# Altium PCB PA_8CH_CTRL.PcbDoc (part 11 of 11)
Units mil, origin at the board's own origin, x right, y up, seen from the top; angles counter-clockwise.
Board outline 15354.33 x 4330.71 mil, 4 copper layers (Component Side, Signal Layer 1, Power Plane, Solder Side), stack 63.149 mil thick; 907 components, 557 nets, 2683 pads, 1897 vias.
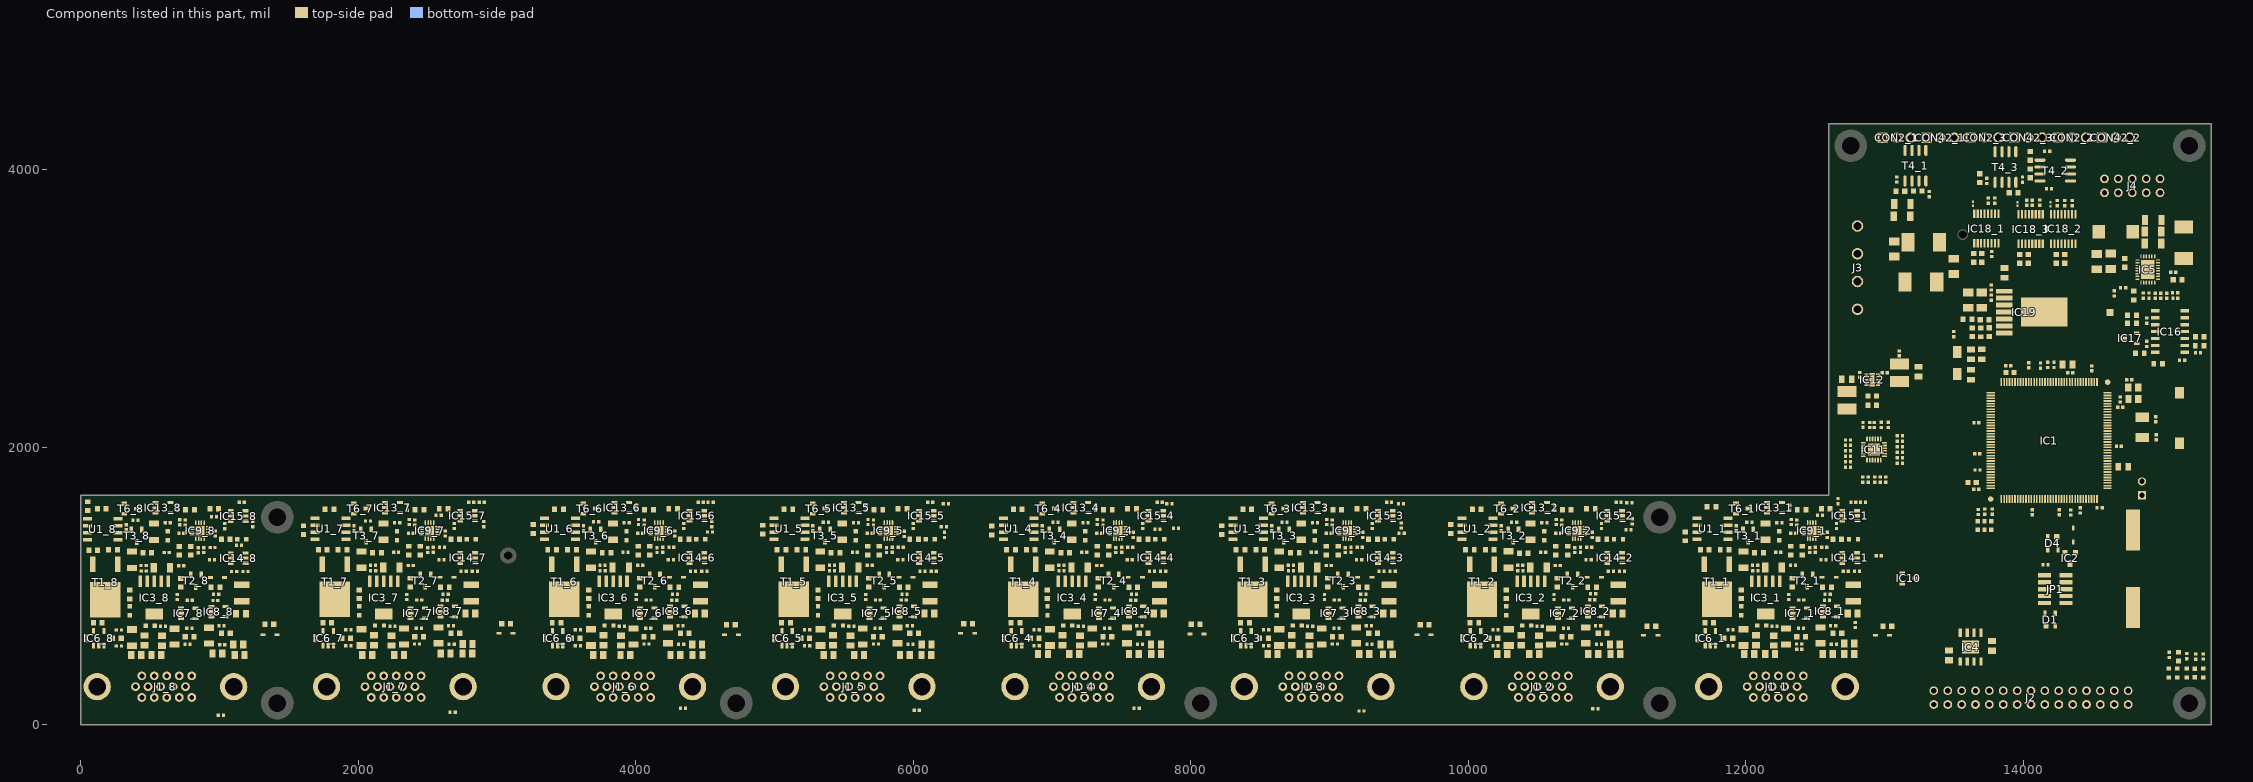
[diagram p13: the components of this part, seen from the top]

## Polygon pours and split planes (outlines as drawn)
GND on Solder Side "ML1_BAL" (solid, remove dead copper, pour order 48): 9.84,974.41 19.69,984.25 462.6,984.25 462.6,777.56 472.44,767.72 482.28,777.56 13149.61,777.56 13169.29,777.56 13484.25,1092.52 13484.25,1161.42 13484.25,2480.31 13503.94,2500 13553.15,2549.21 13553.15,2598.43 13553.15,2824.8 13484.25,2824.8 13484.25,3169.29 13503.94,3188.98 13592.52,3277.56 13592.52,3366.14 13592.52,3641.73 13602.36,3631.89 14389.76,3631.89 14399.61,3631.89 14488.19,3543.31 14655.51,3375.98 14655.51,3139.76 14655.51,3061.02 14734.25,2982.28 14881.89,2982.28 15206.69,2982.28 15255.91,3031.5 15255.91,3090.55 15255.91,3700.79 15246.06,3710.63 15243.36,3707.92 14901.57,3707.92 14786.17,3707.92 14744.09,3750 14724.41,3769.69 14675.2,3769.69 14153.54,3769.69 14133.86,3750 14124.02,3740.16 13986.22,3740.16 13612.2,3740.16 13582.68,3769.69 13503.94,3769.69 13238.19,3769.69 13218.5,3750 13218.5,3641.73 12844.49,3641.73 12785.43,3582.68 12677.17,3474.41 12667.32,3474.41 12637.8,3444.88 12618.11,3425.2 12599.43,3425.2 12608.27,3434.04 12608.27,4330.71 15344.49,4330.71 15354.33,4320.87 15344.49,4311.02 15344.49,0 9.84,0 0,9.84 19.69,29.53 19.69,984.25
P6V5 on Solder Side "Solder Side-No Net" (solid, remove dead copper, pour order 8): 12952.76,984.25 12992.13,984.25 13188.98,1181.1 13188.98,2559.06 13435.04,2805.12 13543.31,2805.12 13543.31,2559.05 13464.57,2480.31 13464.57,1102.36 13149.61,787.4 12952.76,787.4
P6V5 on Solder Side "Solder Side-No Net" (solid, remove dead copper, pour order 0): 472.44,984.25 12992.13,984.25 12992.13,787.4 472.44,787.4
P30V0 on Solder Side "Solder Side-No Net" (solid, remove dead copper, pour order 6): 12627.95,1297.89 12627.95,3405.51 12844.49,3622.05 13572.84,3622.05 13572.83,3280.83 13464.57,3172.57 13464.57,2874.02 13188.98,2598.43 13188.98,1190.94 13077.91,1079.87
P30V0 on Solder Side "Solder Side-No Net" (solid, remove dead copper, pour order 2): 0,1663.39 13139.76,1663.39 13139.76,994.09 0,994.09
N8V0 on Solder Side "Top-No Net" (solid, remove dead copper, pour order 28): 14665.35,3681.1 15236.22,3681.1 15236.22,3031.5 15216.54,3011.81 14940.94,3011.81 14921.26,3011.81 14901.57,2992.13 14803.15,2992.13 14744.09,2992.13 14704.72,3031.5 14665.35,3070.87 14665.35,3484.25 14665.35,3681.1
N8V0 on Solder Side "Top-No Net" (solid, remove dead copper, pour order 30): 13238.19,3740.16 13533.46,3740.16 13553.15,3740.16 13582.68,3710.63 13740.16,3710.63 14143.7,3710.63 14163.39,3730.31 14183.07,3750 14311.02,3750 14704.72,3750 14753.94,3700.79 14753.94,3612.2 14685.04,3543.31 14566.93,3543.31 14507.87,3543.31 14448.82,3602.36 14399.61,3651.57 14143.7,3651.57 13238.19,3651.57
P3V3 on Signal Layer 1 "ML1_BAL" (solid, remove dead copper, pour order 46): -9.84,1663.39 0,1673.23 12578.74,1673.23 12578.74,1633.86 12785.6,1427 12903.54,1427 13248.2,1427 13405.51,1269.69 13592.52,1082.68 13592.52,954.72 13592.52,905.51 13513.78,826.77 13415.35,728.35 12263.78,728.35 708.66,728.35 629.92,649.61 649.61,629.92 649.61,531.5 649.61,482.28 688.98,442.91 698.82,433.07 1072.83,433.07 13175.58,433.07 13287.4,321.25 13277.56,311.41 13277.56,10.16 13218.83,10.16 13208.66,0 0,0
P3V3 on Signal Layer 1 "ML1_BAL" (solid, remove dead copper, pour order 44): 12588.58,1653.54 12588.58,1594.49 12687.01,1496.06 12706.69,1476.38 13139.76,1476.38 13169.29,1505.91 13169.29,1574.8 13169.29,3769.69 13425.2,3769.69 13425.2,1614.17 13543.31,1496.06 13838.58,1200.79 13838.58,961.01 13838.58,797.24 13710.63,669.29 13277.56,236.22 13277.56,9.84 13366.14,9.84 13375.98,0 15354.33,0 15354.33,2923.23 15344.49,2913.39 13809.06,2913.39 14832.68,2913.39 14458.66,3287.4 14458.66,3631.89 14537.4,3710.63 14566.93,3740.16 14685.04,3740.16 15157.48,3740.16 15206.69,3690.94 15246.06,3651.57 15246.06,3612.2 15246.06,2913.39 15354.33,2913.39 15354.33,4320.87 15344.49,4330.71 12598.43,4330.71 12598.43,1683.07 12588.58,1673.23
N8V0 on Signal Layer 1 "Signal Layer 1-No Net" (solid, pour order 14): 12874.02,679.13 12933.07,688.98 13149.61,688.98 13415.36,688.98 13639,912.62 13639,1075.57 13188.98,1525.59 13188.98,3740.16 13415.36,3740.16 13415.36,1584.64 13818.9,1181.1 13818.9,826.77 13503.94,511.81 13267.72,511.81 13228.35,472.44 12874.02,472.44
N8V0 on Signal Layer 1 "Solder Side-No Net" (solid, remove dead copper, pour order 4): 12938.81,683.15 682.42,683.15 682.42,472.44 12938.81,472.44
N8V0 on Signal Layer 1 "ML1_BAL" (solid, remove dead copper, pour order 34): 14606.3,3700.79 15167.32,3700.79 15196.85,3671.26 15226.38,3641.73 15226.38,3425.2 15226.38,3011.81 15167.32,2952.76 15147.64,2933.07 14940.94,2933.07 14842.52,2933.07 14488.19,3287.4 14488.19,3454.72 14488.19,3612.21 14576.77,3700.79
NetC23_2 on Component Side "ML1_BAL" (solid, remove dead copper, pour order 38): 14903.03,3435.39 15265.75,3435.39 15265.75,3257.87 15177.17,3257.87 15167.32,3248.03 15108.27,3248.03 15047.43,3248.03 15029.53,3265.94 15017.91,3277.56 14950.79,3277.56 14950.79,3346.46 14940.94,3356.3 14891.73,3356.3
N8V0 on Component Side "ML1_BAL" (solid, remove dead copper, pour order 40): 14665.35,3707.74 14924.15,3707.74 14931.1,3700.79 14931.1,3651.57 14931.1,3435.04 14921.26,3425.2 14815.18,3319.11 14755.02,3319.11 14702.54,3319.11 14685.04,3336.61 14675.2,3346.46 14675.2,3375.98 14675.2,3651.57 14665.35,3661.42 14665.35,3707.74
P12V0 on Component Side "Top-No Net" (solid, remove dead copper, pour order 26): 13897.64,3228.35 14409.45,3228.35 14448.82,3267.72 14448.82,3307.09 14468.5,3326.77 14842.52,3326.77 14842.52,3267.72 14803.15,3267.72 14665.35,3129.92 13917.32,3129.92
GND on Component Side "ML1_BAL" (solid, remove dead copper, pour order 36): 14950.79,3690.94 14950.79,3435.04 15265.75,3435.04 15265.75,3681.1 15255.91,3690.94 14960.63,3690.94
P3V3 on Component Side "ML1_BAL" (solid, remove dead copper, pour order 32): 12696.85,2677.17 12805.12,2785.43 13218.5,2785.43 13336.61,2667.32 13356.3,2647.64 13356.3,2588.58 13356.3,2509.84 13307.09,2460.63 13208.66,2362.2 13169.29,2362.2 13031.5,2362.2 13011.81,2381.89 12952.76,2440.94 12952.76,2500 12952.76,2529.53 12923.23,2559.06 12785.43,2559.06 12696.85,2559.06 12687.01,2568.9 12687.01,2667.32
P12V0 on Component Side "Top-No Net" (solid, remove dead copper, pour order 24): 13937.01,3267.72 13937.01,3110.24 13740.16,3110.24 13681.1,3051.18 13562.99,3051.18 13562.99,2992.13 13464.57,2893.7 13444.88,2874.02 13070.87,2874.02 13031.5,2874.02 12952.76,2952.76 12834.65,3070.87 12716.54,3070.87 12696.85,3070.87 12677.17,3090.55 12677.17,3149.61 12677.17,3248.03 12716.54,3287.4 12814.96,3287.4 12913.39,3287.4 12972.44,3228.35 13129.92,3070.87 13307.09,3070.87 13425.2,3070.87 13523.62,3169.29 13562.99,3208.66 13622.05,3208.66 13681.1,3267.72 13949.39,3267.72
GND on Component Side "ML1_BAL" (solid, remove dead copper, pour order 42): 14665.35,3672.52 14665.35,3326.77 14468.5,3326.77 14468.5,3637.43 14502.34,3671.26 14503.6,3672.52 14665.35,3672.52
P30V0 on Component Side "Top-No Net" (solid, remove dead copper, pour order 22): 13385.83,3622.05 13503.94,3622.05 13523.62,3602.36 13582.68,3543.31 13582.68,3346.46 13562.99,3326.77 13543.31,3307.09 13464.57,3307.09 13346.46,3307.09 13307.09,3346.46 13287.4,3366.14 13287.4,3484.25 13287.4,3582.68 13307.09,3602.36 13326.77,3622.05 13385.83,3622.05
GND on Component Side "Top-No Net" (solid, remove dead copper, pour order 20): 13287.4,3307.09 13582.68,3307.09 13622.05,3267.72 13661.42,3267.72 13661.42,3208.66 13582.68,3208.66 13543.31,3208.66 13523.62,3188.98 13464.57,3129.92 13425.2,3090.55 13385.83,3090.55 13267.72,3090.55 13248.03,3110.24 13248.03,3267.72 13248.03,3287.4 13267.72,3307.09
GND on Power Plane (split plane): 15334.23,20.1 20.1,20.1 20.1,1633.45 12598.43,1633.45 12602.35,1633.83 12606.12,1634.98 12609.59,1636.83 12612.64,1639.33 12615.14,1642.38 12616.99,1645.85 12618.14,1649.62 12618.52,1653.54 12618.52,4310.61 15334.23,4310.61

## Keep-outs
Keep-Out Layer:
  lines w3.94: 12598.43,1653.54 0,1653.54 0,0 15354.33,0 15354.33,4330.71 12598.43,4330.71 ; 12599.43,1656.54 12599.43,4333.71

## Other copper
Component Side:
  rectangle net GND: 12987.16,3742.16 13040.08,3769.69
  rectangle net GND: 12990,3655 13070,3680
  rectangle net N8V0: 13240,3665 13410,3740
  rectangle net NetC21_2: 14741.57,915 14840,1092.17
  rectangle net P6V5: 13425.2,2654.53 13490.16,2719.49
  rectangle net GND: 13216,2466 13271,2492
  region net GND: 12675.73,2455.06 12675.73,2533.8 12645,2533.8 12645,2455.06
  rectangle net P3V3: 12941,2532 12966,2566
  region net GND: 14837,1145 14837,1436 14745,1436 14745,1145
  rectangle net P30V0: 1954.54,1200.14 2079.54,1275.14
  rectangle net GND: 1988.54,1052.14 2057.54,1132.14
  rectangle net GND: 2751.54,724.14 2794.54,783.14
  rectangle net GND: 2143.54,1270.14 2217.54,1348.14
  rectangle net GND: 2104.54,626.14 2253.54,687.14
  rectangle net GND: 2085.54,623.14 2137.54,731.14
  rectangle net GND: 2081.54,728.14 2138.54,841.14
  rectangle net P6V5: 2220.54,909.14 2246.54,1003.14
  rectangle net P6V5: 2228.54,909.14 2279.54,982.14
  rectangle net GND: 2165.54,908.14 2200.54,1157.14
  rectangle net P30V0: 3608.09,1200.14 3733.09,1275.14
  rectangle net GND: 3642.09,1052.14 3711.09,1132.14
  rectangle net GND: 4405.09,724.14 4448.09,783.14
  rectangle net GND: 3797.09,1270.14 3871.09,1348.14
  rectangle net GND: 3758.09,626.14 3907.09,687.14
  rectangle net GND: 3739.09,623.14 3791.09,731.14
  rectangle net GND: 3735.09,728.14 3792.09,841.14
  rectangle net P6V5: 3874.09,909.14 3900.09,1003.14
  rectangle net P6V5: 3882.09,909.14 3933.09,982.14
  rectangle net GND: 3819.09,908.14 3854.09,1157.14
  rectangle net P30V0: 5261.63,1200.14 5386.63,1275.14
  rectangle net GND: 5295.63,1052.14 5364.63,1132.14
  rectangle net GND: 6058.63,724.14 6101.63,783.14
  rectangle net GND: 5450.63,1270.14 5524.63,1348.14
  rectangle net GND: 5411.63,626.14 5560.63,687.14
  rectangle net GND: 5392.63,623.14 5444.63,731.14
  rectangle net GND: 5388.63,728.14 5445.63,841.14
  rectangle net P6V5: 5527.63,909.14 5553.63,1003.14
  rectangle net P6V5: 5535.63,909.14 5586.63,982.14
  rectangle net GND: 5472.63,908.14 5507.63,1157.14
  rectangle net P30V0: 6915.17,1200.14 7040.17,1275.14
  rectangle net GND: 6949.17,1052.14 7018.17,1132.14
  rectangle net GND: 7712.17,724.14 7755.17,783.14
  rectangle net GND: 7104.17,1270.14 7178.17,1348.14
  rectangle net GND: 7065.17,626.14 7214.17,687.14
  rectangle net GND: 7046.17,623.14 7098.17,731.14
  rectangle net GND: 7042.17,728.14 7099.17,841.14
  rectangle net P6V5: 7181.17,909.14 7207.17,1003.14
  rectangle net P6V5: 7189.17,909.14 7240.17,982.14
  rectangle net GND: 7126.17,908.14 7161.17,1157.14
  rectangle net P30V0: 8568.72,1200.14 8693.72,1275.14
  rectangle net GND: 8602.72,1052.14 8671.72,1132.14
  rectangle net GND: 9365.72,724.14 9408.72,783.14
  rectangle net GND: 8757.72,1270.14 8831.72,1348.14
  rectangle net GND: 8718.72,626.14 8867.72,687.14
  rectangle net GND: 8699.72,623.14 8751.72,731.14
  rectangle net GND: 8695.72,728.14 8752.72,841.14
  rectangle net P6V5: 8834.72,909.14 8860.72,1003.14
  rectangle net P6V5: 8842.72,909.14 8893.72,982.14
  rectangle net GND: 8779.72,908.14 8814.72,1157.14
  rectangle net P30V0: 10222.26,1200.14 10347.26,1275.14
  rectangle net GND: 10256.26,1052.14 10325.26,1132.14
  rectangle net GND: 11019.26,724.14 11062.26,783.14
  rectangle net GND: 10411.26,1270.14 10485.26,1348.14
  rectangle net GND: 10372.26,626.14 10521.26,687.14
  rectangle net GND: 10353.26,623.14 10405.26,731.14
  rectangle net GND: 10349.26,728.14 10406.26,841.14
  rectangle net P6V5: 10488.26,909.14 10514.26,1003.14
  rectangle net P6V5: 10496.26,909.14 10547.26,982.14
  rectangle net GND: 10433.26,908.14 10468.26,1157.14
  rectangle net P30V0: 11915.17,1200.14 12040.17,1275.14
  rectangle net GND: 11949.17,1052.14 12018.17,1132.14
  rectangle net GND: 12712.17,724.14 12755.17,783.14
  rectangle net GND: 12104.17,1270.14 12178.17,1348.14
  rectangle net GND: 12065.17,626.14 12214.17,687.14
  rectangle net GND: 12046.17,623.14 12098.17,731.14
  rectangle net GND: 12042.17,728.14 12099.17,841.14
  rectangle net P6V5: 12181.17,909.14 12207.17,1003.14
  rectangle net P6V5: 12189.17,909.14 12240.17,982.14
  rectangle net GND: 12126.17,908.14 12161.17,1157.14
  rectangle net GND: 451,625 600,686
  rectangle net GND: 432,622 484,730
  rectangle net GND: 512,907 547,1156
  rectangle net GND: 335,1051 404,1131
  rectangle net GND: 490,1269 564,1347
  rectangle net P6V5: 567,908 593,1002
  rectangle net P6V5: 575,908 626,981
  rectangle net P30V0: 301,1199 426,1274
  rectangle net GND: 1098,723 1141,782
  rectangle net GND: 428,727 485,840
  rectangle net NetC57_2: 12768,2482 12859,2514
  rectangle net NetC57_2: 12737,2390 12786,2476
  rectangle net NetC21_2: 13746,590 13821,745
  rectangle net NetC21_2: 13533,706 13821,752
  rectangle net NetC21_2: 13684,688 13706,729
  rectangle net NetC21_2: 13533,687 13557,724
  rectangle net NetC21_2: 15100,694 15209,806
  rectangle net GND: 13434,513 13802,556
  rectangle net GND: 1147,600 1193,651
  rectangle net GND: 2801,606 2847,657
  rectangle net GND: 4454,608 4500,659
  rectangle net GND: 6107,607 6153,658
  rectangle net GND: 7762,606 7808,657
  rectangle net GND: 9414,607 9460,658
  rectangle net GND: 11068,604 11114,655
  rectangle net GND: 12762,604 12807,676
  rectangle net N8V0: 11513,519 11560,566
  rectangle net N8V0: 9842,539 9889,586
  rectangle net N8V0: 8162,536 8209,583
  rectangle net N8V0: 6539,536 6586,583
  rectangle net N8V0: 4906,533 4953,580
  rectangle net N8V0: 3226,544 3273,591
  rectangle net N8V0: 1570,547 1617,594
  rectangle net N8V0: 492,1372 539,1419
  rectangle net GND: 13414,504 13732,623
  rectangle net GND: 13726,435 13813,545
  rectangle net P30V0: 8011.81,1240.16 8149.61,1437.01
  rectangle net P30V0: 3041.34,1190.94 3129.92,1446.85
  rectangle net P30V0: 6318.9,1240.16 6476.38,1417.32
  rectangle net P30V0: 4675.2,1210.63 4832.68,1427.17
Signal Layer 1:
  rectangle net N8V0: 490,1364 542,1420
Solder Side:
  rectangle net NetC21_2: 14745,1000 14820,1095
  rectangle net P30V0: 2942.91,1289.37 3248.03,1348.43
  rectangle net GND: 14002.91,2861.17 14304.18,3083.71
  rectangle net NetC21_2: 13747,619.11 13822.86,744
  rectangle net NetC21_2: 15105,701 15203,791
  rectangle net GND: 13359,392 13732,701
  rectangle net N8V0: 13238.19,3681.1 13405.51,3740.16

## Silkscreen, mask and mechanical layers (free items; w line width, h text height)
Top Overlay:
  text "P1_3" at 15005,4090 h39.37 r90
  text "DXN" at 14816.57,4064.96 h39.37 r90
  text "P2_3" at 14905.16,4055.12 h39.37 r90
  text "P2_1" at 14619.72,4045.28 h39.37 r90
  text "P1_1" at 14722.95,4041.89 h39.37 r90
  text "P30V0" at 13533.46,3769.69 h39.37 r270
  text "30V" at 12790,3755 h60
  text "N3" at 15005,3683 h39.37
  text "P12" at 14879.8,3679.04 h39.37
  text "P22" at 14741,3677 h39.37
  text "G" at 14575,3675 h39.37
  text "N1" at 14665,3675 h39.37
  text "G" at 13001.97,3326.77 h60 r270
  text "12V" at 13003.94,3206.69 h60 r270
  text "PG / N8V0" at 14547.24,3031.5 h30
  text "GND" at 13001.97,2942.91 h60
  text "nc" at 13001.97,2775.59 h39.37
  text "RESET" at 15279,2134 h30 r90
  text "P30V0" at 3149.61,1309.06 h39.37 r270
  text "LD10" at 13671.26,1200.79 h39.37 r90
  text "LD9" at 13740.16,1200.79 h39.37 r90
  text "LD11" at 13799.21,1200.79 h39.37 r90
  text "P30V0" at 15098.43,688.98 h30 r270
  text "P6V0" at 15162.05,663.21 h30 r270
  text "N8V0" at 15038.39,662.4 h30 r270
  text "P3V3" at 15223.05,662.21 h30 r270
  text "P5V0" at 15285.05,659.21 h30 r270
Mechanical 1:
  lines w20: 12598.43,1653.54 0,1653.54 0,0 15354.33,0 15354.33,4606.3 12598.43,4606.3 ; 12599.43,1656.54 12599.43,4606.3
Mechanical 8:
  lines w3.94: 0,-39.37 1653.54,-39.37 ; 1653.54,0 3307.09,0 ; 3307.09,-39.37 4960.63,-39.37 ; 4960.63,0 6614.17,0 ; 6614.17,-39.37 8267.72,-39.37 ; 8267.72,0 9921.26,0
Drill Drawing:
  drawing of 295 lines, arcs and shapes, not listed
  text "Layer" at 7432.05,3709.21 h60
  text "Name" at 7841.96,3709.21 h60
  text "Material" at 8781.7,3709.21 h60
  text "Thickness" at 9641.47,3709.21 h60
  text "Constant" at 10291.3,3709.21 h60
  text "Board Layer Stack" at 10861.16,3709.21 h60
  text "1" at 7432.05,3589.21 h60
  text "Top Overlay" at 7841.96,3589.21 h60
  text "2" at 7432.05,3469.21 h60
  text "Top Solder" at 7841.96,3469.21 h60
  text "Solder Resist" at 8781.7,3469.21 h60
  text "0.010mm" at 9641.47,3469.21 h60
  text "3.5" at 10291.3,3469.21 h60
  text "3" at 7432.05,3349.21 h60
  text "Component Side" at 7841.96,3349.21 h60
  text "Copper" at 8781.7,3349.21 h60
  text "0.056mm" at 9641.47,3349.21 h60
  text "4" at 7432.05,3229.21 h60
  text "Dielectric 1" at 7841.96,3229.21 h60
  text "FR-4" at 8781.7,3229.21 h60
  text "0.360mm" at 9641.47,3229.21 h60
  text "4.8" at 10291.3,3229.21 h60
  text "5" at 7432.05,3109.21 h60
  text "Signal Layer 1" at 7841.96,3109.21 h60
  text "Copper" at 8781.7,3109.21 h60
  text "0.036mm" at 9641.47,3109.21 h60
  text "6" at 7432.05,2989.21 h60
  text "Dielectric 5" at 7841.96,2989.21 h60
  text "0.700mm" at 9641.47,2989.21 h60
  text "4.2" at 10291.3,2989.21 h60
  text "7" at 7432.05,2869.21 h60
  text "Power Plane" at 7841.96,2869.21 h60
  text "Copper" at 8781.7,2869.21 h60
  text "0.036mm" at 9641.47,2869.21 h60
  text "8" at 7432.05,2749.21 h60
  text "Dielectric 4" at 7841.96,2749.21 h60
  text "0.360mm" at 9641.47,2749.21 h60
  text "4.2" at 10291.3,2749.21 h60
  text "9" at 7432.05,2629.21 h60
  text "Solder Side" at 7841.96,2629.21 h60
  text "Copper" at 8781.7,2629.21 h60
  text "0.056mm" at 9641.47,2629.21 h60
  text "10" at 7432.05,2509.21 h60
  text "Bottom Solder" at 7841.96,2509.21 h60
  text "Solder Resist" at 8781.7,2509.21 h60
  text "0.010mm" at 9641.47,2509.21 h60
  text "3.5" at 10291.3,2509.21 h60
  text "11" at 7432.05,2389.21 h60
  text "Bottom Overlay" at 7841.96,2389.21 h60

## Text inside footprints (layer, text, board x,y; h text height)
CON2_1: Top Overlay "1" at 12925.7,4279.06 h39.37; Mechanical 14 "1" at 12925.7,4279.06 h39.37
CON2_2: Top Overlay "1" at 14189.48,4280.04 h39.37; Mechanical 14 "1" at 14189.48,4280.04 h39.37
CON2_3: Top Overlay "1" at 13558.58,4280.04 h39.37; Mechanical 14 "1" at 13558.58,4280.04 h39.37
CON42_1: Top Overlay "1" at 13240.66,4279.06 h39.37; Mechanical 14 "1" at 13240.66,4279.06 h39.37
CON42_2: Top Overlay "1" at 14504.44,4280.04 h39.37; Mechanical 14 "1" at 14504.44,4280.04 h39.37
CON42_3: Top Overlay "1" at 13873.54,4280.04 h39.37; Mechanical 14 "1" at 13873.54,4280.04 h39.37
J2: Top Overlay "30" at 13380.12,91.85 h40 r180; Mechanical 14 "30" at 13380.12,91.85 h40 r180
J3: Top Overlay "4" at 12863.46,3010.16 h47.24 r270; Top Overlay "1" at 12863.46,3599.33 h47.24 r270; Mechanical 14 "4" at 12863.46,3010.16 h47.24 r270; Mechanical 14 "1" at 12863.46,3599.33 h47.24 r270
J4: Top Overlay "10" at 14610,3784.99 h40 r180; Mechanical 14 "10" at 14610,3784.99 h40 r180